# KiCad board fabiTEM.kicad_pcb (continued)
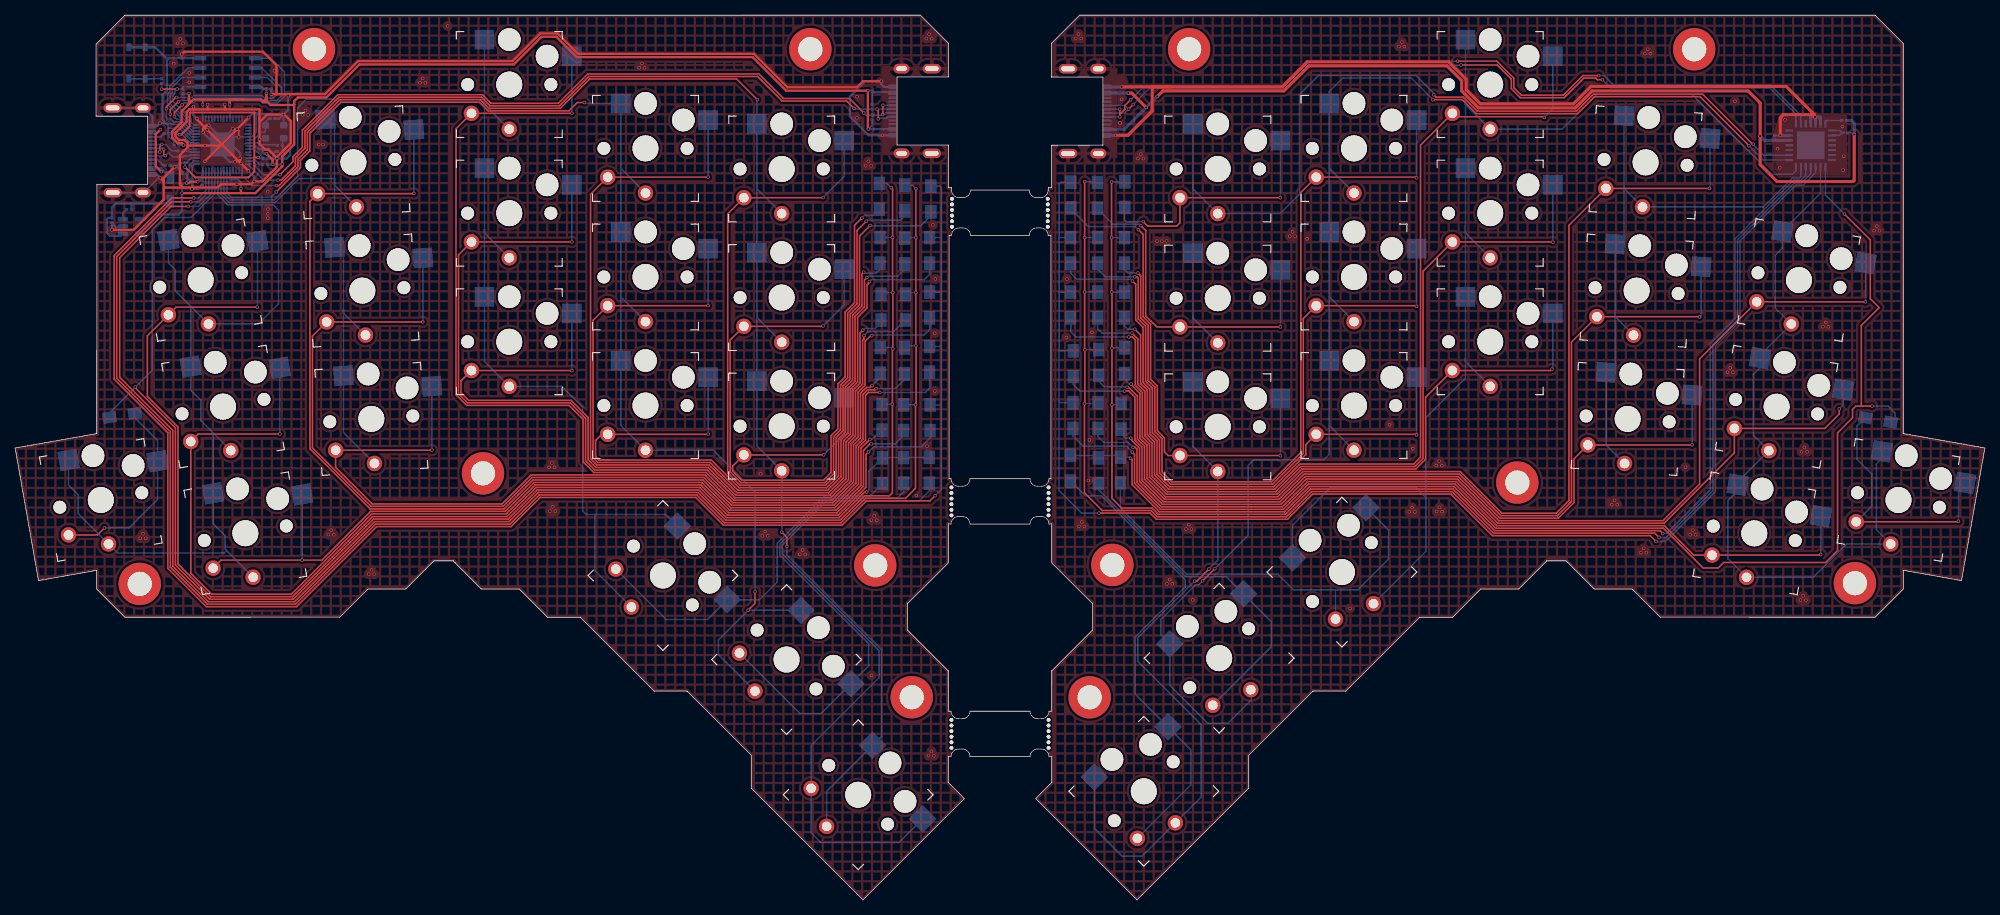
[diagram p0: board, top side]
## Routing (per net, layer and track width the routed paths; a pad name or vN(x,y) marks a point on that pad's centre or on a via; arc(x,y) is an arc through that point) (continued)
Net-(DL10-A): length 95.1
  Top w0.2: v1(106.77,75.88) 106.72,75.83 SWL10.2 94.49,74.02 94.49,56.59 95.93,55.15 106.95,55.15 108.15,56.34 108.15,61.22 109.07,62.15 109.07,68.07 110.01,69.01 110.01,77.57 111.25,78.81 111.25,88.49 v1(112.47,89.71)
  Bottom w0.2: SWL10.2 109.57,78.68 v1(106.77,75.88) ; v1(112.47,89.71) 112.63,89.87 116.99,89.87 117.55,90.43 DL10.2
Net-(DL11-A): length 110.5
  Top w0.2: SWL11.2 27.21,44.91 v1(37.92,44.91) 40.53,44.91 46.98,51.36 64.75,51.36 68.58,55.18 90.75,55.18 94.42,51.52 108.46,51.52 111.78,54.84 111.78,59.72 112.62,60.56 112.63,60.56 v1(112.96,60.89)
  Bottom w0.2: v1(112.96,60.89) 113.23,60.89 114.43,62.08 DL11.2 ; v1(37.92,44.91) SWL11.2
Net-(DL12-A): length 114.3
  Top w0.2: v1(55.07,59.46) 55.06,59.45 SWL12.2 42.35,57.18 47.18,52.35 64.34,52.35 68.17,56.17 91.16,56.17 94.83,52.51 108.05,52.51 110.79,55.25 110.79,60.13 111.71,61.05 111.71,66.96 112.49,67.75 112.99,67.75 v1(113.23,68)
  Bottom w0.2: v1(55.07,59.46) 55.06,59.47 SWL12.2 ; v1(113.23,68) 114.33,69.09 DL12.2
Net-(DL13-A): length 108.8
  Top w0.2: v1(112.02,75.31) 111.66,74.95 111.66,68.33 110.72,67.39 110.72,61.46 109.8,60.54 109.8,55.66 107.64,53.5 95.24,53.5 91.57,57.16 76.74,57.16 75.71,58.2 75.71,63.8 73.47,66.04 59.93,66.04 58.92,67.05 58.92,68.61 SWL13.2 73.55,69.98 v1(73.57,69.96)
  Bottom w0.2: SWL13.2 73.57,69.97 v1(73.57,69.96) ; v1(112.02,75.31) 112.24,75.54 113.64,75.54 114.43,76.33 DL13.2
Net-(DL14-A): length 91.6
  Top w0.2: SWL14.2 91.53,61.55 v1(91.57,61.59) ; 77.15,58.15 76.7,58.61 76.7,60.73 77.51,61.55 ; 77.15,58.15 78.67,58.15 ; 77.15,58.15 78.67,58.15 ; 78.67,58.15 91.99,58.15 95.66,54.49 107.23,54.49 108.81,56.07 108.81,60.95 109.73,61.87 109.73,67.8 110.67,68.74 110.67,77.29 111.91,78.53 111.91,82.75 v1(112.14,82.98)
  Bottom w0.2: SWL14.2 91.57,61.59 v1(91.57,61.59) ; DL14.2 114.3,83.39 113.74,82.83 112.29,82.83 v1(112.14,82.98)
Net-(DL15-A): length 74.1
  Top w0.2: v1(111.89,90.15) 110.92,89.18 110.92,78.94 109.68,77.7 109.68,69.15 108.74,68.21 108.74,62.28 107.82,61.36 107.82,56.48 106.82,55.48 96.07,55.48 94.82,56.73 94.82,57.35 SWL15.2 106.84,58.83 v1(106.84,58.83)
  Bottom w0.2: DL15.2 114.2,91.26 113.46,90.53 112.27,90.53 v1(111.89,90.15) ; v1(106.84,58.83) 109.57,61.56 SWL15.2
Net-(DL16-A): length 26.3
  Top w0.2: SWL16.2 10.89,48.25 v1(11.81,49.18)
  Bottom w0.2: v1(11.81,49.18) 15.04,49.18 18.82,52.95 18.82,60.74 15.83,63.73 DL16.2
Net-(DL17-A): length 48.5
  Bottom w0.2: DL17.2 112.99,53.43 106.97,53.43 100.71,47.16 100.71,42.02 98.36,39.67 94.11,39.67 SWL17.2 91.48,37.06 86.04,37.06 SWL17.2
Net-(DL18-A): length 64.3
  Bottom w0.2: SWL18.2 103.69,24.64 106.51,24.64 112.79,30.92 112.79,33.86 101.04,45.61 101.04,47.03 107.11,53.1 116.57,53.1 117.43,53.95 DL18.2
Net-(DL19-A): length 87
  Bottom w0.2: SWL19.2 116.78,7.57 106.48,7.57 105.18,8.87 105.18,20.4 114.17,29.38 114.17,32.94 101.37,45.74 101.37,46.89 107.24,52.77 119.49,52.77 120.8,54.08 DL19.2
Net-(DR1-A): length 136
  Top w0.2: v1(244.5,79.06) 244.49,79.06 SWR1.2 222.59,71.52 222.59,54.98 217.75,50.13 196.05,50.13 190.55,55.63 170.61,55.63 167.27,52.3 151.61,52.3 148.58,55.33 148.58,59.72 147.56,60.73 147.56,60.9 v1(147.42,61.04)
  Bottom w0.2: DR1.2 146.15,61.62 146.74,61.04 v1(147.42,61.04) ; SWR1.2 244.52,79.08 v1(244.5,79.06)
Net-(DR2-A): length 139.9
  Top w0.2: v1(147.47,68.2) 147.47,68.12 148.63,66.96 148.63,61.07 149.57,60.13 149.57,55.74 152.02,53.29 166.84,53.29 170.18,56.62 190.96,56.62 196.46,51.12 203.64,51.12 205.33,52.81 205.33,89.18 SWR2.2 223.89,94.06 v1(223.9,94.06)
  Bottom w0.2: SWR2.2 223.97,94.14 v1(223.9,94.06) ; DR2.2 146.59,68.83 147.22,68.2 v1(147.47,68.2)
Net-(DR3-A): length 128.8
  Top w0.2: v1(202.09,103.44) 202,103.53 190.37,103.53 SWR3.2 185.72,99.78 185.72,58.52 184.81,57.61 169.77,57.61 166.44,54.29 152.42,54.29 150.56,56.15 150.56,60.54 149.62,61.48 149.62,67.37 148.72,68.27 148.72,74.68 v1(147.96,75.44)
  Bottom w0.2: v1(202.09,103.44) 203.2,104.55 SWR3.2 ; DR3.2 146.59,75.89 147.04,75.44 v1(147.96,75.44)
Net-(DR4-A): length 109.1
  Top w0.2: v1(185.2,95.46) 185.11,95.55 SWR4.2 169.89,93.52 169.89,59.15 166.01,55.28 152.83,55.28 151.55,56.56 151.55,60.95 150.61,61.89 150.61,67.78 149.71,68.68 149.71,75.97 148.74,76.94 148.74,82.51 v1(148.36,82.88)
  Bottom w0.2: SWR4.2 v1(185.2,95.46) ; DR4.2 146.59,83.33 147.04,82.88 v1(148.36,82.88)
Net-(DR5-A): length 33.5
  Top w0.2: v1(167.19,92.83) SWR5.2 153.92,89.51 153.49,89.08 149.67,89.08 v1(149.08,89.67)
  Bottom w0.2: v1(149.08,89.67) 149.07,89.66 146.84,89.66 146.59,89.91 146.59,91.36 ; SWR5.2 v1(167.2,92.83)
Net-(DR6-A): length 120.4
  Top w0.2: v1(147.73,59.83) 148,59.83 148.25,59.58 148.25,55.2 151.48,51.97 167.45,51.97 170.78,55.3 190.41,55.3 195.91,49.8 217.89,49.8 227.18,59.1 SWR6.2 239.13,62.32 241.05,64.24 v1(241.05,64.9)
  Bottom w0.2: DR6.2 143.11,61.22 143.84,60.48 147.08,60.48 v1(147.73,59.83) ; v1(241.05,64.9) 241.57,65.42 SWR6.2
Net-(DR7-A): length 126.2
  Top w0.2: v1(222.6,77.06) 222.55,77.1 SWR7.2 205.66,73.74 205.66,52.68 205.47,52.49 205.47,52.47 203.79,50.79 196.32,50.79 190.82,56.29 170.32,56.29 166.99,52.96 151.89,52.96 149.24,55.61 149.24,59.99 148.3,60.93 148.3,66.6 147.13,67.77 v1(146.95,67.77)
  Bottom w0.2: SWR7.2 222.79,77.25 v1(222.6,77.06) ; DR7.2 143.18,68.58 143.92,67.84 146.87,67.84 v1(146.95,67.77)
Net-(DR8-A): length 115.8
  Top w0.2: v1(203.2,86.96) 203.17,86.98 SWR8.2 186.05,83.11 186.05,58.39 184.94,57.28 169.9,57.28 166.58,53.96 152.29,53.96 150.23,56.02 150.23,60.4 149.29,61.34 149.29,67.24 148.36,68.16 148.36,74.16 v1(147.59,74.93)
  Bottom w0.2: DR8.2 143.04,75.5 143.61,74.93 v1(147.59,74.93) ; SWR8.2 v1(203.2,86.96)
Net-(DR9-A): length 96
  Top w0.2: v1(185.2,78.46) 185.11,78.55 SWR9.2 170.22,76.85 170.22,59.02 166.15,54.95 152.7,54.95 151.22,56.43 151.22,60.81 150.28,61.75 150.28,67.65 149.38,68.55 149.38,75.84 148.41,76.81 148.41,82.18 148.21,82.37 v1(147.96,82.37)
  Bottom w0.2: SWR9.2 v1(185.2,78.46) ; DR9.2 143.04,83.38 144.04,82.37 v1(147.96,82.37)
Net-(DR10-A): length 44.8
  Top w0.2: v1(167.2,75.74) 167.19,75.74 SWR10.2 150.87,75.74 149.4,77.22 149.4,88.49 v1(148.74,89.15)
  Bottom w0.2: 143.04,91.36 145.07,89.33 148.55,89.33 v1(148.74,89.15) ; SWR10.2 v1(167.2,75.74)
Net-(DR11-A): length 116.5
  Top w0.2: v1(238.6,45.66) 238.52,45.58 SWR11.2 221.83,45.58 217.93,49.47 195.78,49.47 190.28,54.97 170.92,54.97 167.58,51.64 151.34,51.64 147.92,55.06 147.92,58.92 v1(147.63,59.21)
  Bottom w0.2: SWR11.2 238.62,45.68 v1(238.6,45.66) ; v1(147.63,59.21) 146.86,59.97 141.15,59.97 139.78,61.34 DR11.2
Net-(DR12-A): length 112.8
  Top w0.2: v1(146.58,67.26) 147.17,67.26 147.97,66.46 147.97,60.79 148.91,59.85 148.91,55.47 151.75,52.63 167.14,52.63 170.47,55.96 190.69,55.96 196.19,50.46 203.93,50.46 205.99,52.52 205.99,58.3 SWR12.2 221.58,60.14 v1(221.6,60.16)
  Bottom w0.2: v1(146.58,67.26) 140.71,67.26 139.83,68.14 DR12.2 ; SWR12.2 221.6,60.16 v1(221.6,60.16)
Net-(DR13-A): length 102.9
  Top w0.2: v1(147.17,74.42) 147.63,74.42 148.03,74.02 148.03,68.03 148.96,67.1 148.96,61.2 149.9,60.26 149.9,55.88 152.15,53.63 166.71,53.63 170.04,56.95 185.08,56.95 186.38,58.25 186.38,66.44 SWR13.2 202.9,69.98 v1(203.08,70.16)
  Bottom w0.2: v1(147.17,74.42) 140.18,74.42 139.49,75.12 DR13.2 ; SWR13.2 203.2,70.28 v1(203.08,70.16)
Net-(DR14-A): length 83.1
  Top w0.2: v1(185.2,61.46) 185.11,61.55 SWR14.2 170.55,60.18 170.55,58.83 170.52,58.83 166.3,54.62 152.56,54.62 150.89,56.29 150.89,60.67 149.95,61.61 149.95,67.51 149.05,68.41 149.05,75.7 148.08,76.67 148.08,81.38 147.65,81.81 v1(147.65,81.81)
  Bottom w0.2: DR14.2 139.49,82.86 140.31,82.04 147.42,82.04 v1(147.65,81.81) ; SWR14.2 v1(185.2,61.46)
Net-(DR15-A): length 64.1
  Top w0.2: v1(167.2,58.72) 167.17,58.74 SWR15.2 152.36,58.74 151.88,59.23 151.88,61.08 150.94,62.02 150.94,67.92 150.04,68.82 150.04,76.11 149.07,77.08 149.07,87.97 v1(148.44,88.6)
  Bottom w0.2: v1(148.44,88.6) 148.03,89 141.85,89 139.5,91.35 DR15.2 ; SWR15.2 v1(167.2,58.72)
Net-(DR16-A): length 33.6
  Top w0.2: SWR16.2 256.73,49.99 v1(256.8,50.06)
  Bottom w0.2: SWR16.2 245.37,52.07 245.37,56.29 243.38,58.27 243.38,62.64 DR16.2 ; 256.8,54.24 v1(256.8,50.06)
Net-(DR17-A): length 56.8
  Bottom w0.2: DR17.2 146.08,51.79 154.82,43.05 166.88,43.05 168.94,40.99 174.48,40.99 ; SWR17.2 181.49,48.87 181.49,45.06 177.43,40.99 174.48,40.99 ; 174.48,40.99 SWR17.2
Net-(DR18-A): length 47.6
  Bottom w0.2: 160.54,42.22 166,36.76 166,33.48 SWR18.2 ; SWR18.2 160.04,42.72 154.68,42.72 143.13,54.27 DR18.2
Net-(DR19-A): length 63.4
  Bottom w0.2: SWR19.2 155.32,15.17 155.37,15.17 155.37,19.83 SWR19.2 148.03,27.18 148.03,34.78 154.61,41.36 154.61,42.32 143.52,53.41 141.44,53.41 DR19.2
Net-(J2-CC1): length 2
  Bottom w0.2: R9.1 19.63,97.07 18.83,97.87 18.15,97.87
Net-(J2-CC2): length 1.7
  Bottom w0.2: R10.1 19.26,100.87 18.15,100.87
Net-(U1-EN): length 1.5
  Bottom w0.2: R6.2 14.24,90.78 U1.3
Net-(U1-VIN): length 15.3
  Bottom w0.3: D1.1 20.22,92.06 15.38,92.06 ; 15.38,92.06 R6.1 15.44,91.33 ; 15.38,92.06 13.32,92.06 12.79,91.53 C6.1 12.3,90.15 12.12,89.97 12.12,88.2 12.53,87.79 13.94,87.79 U1.1
Net-(U2-RUN): length 2.2
  Bottom w0.2: R3.2 32.31,97.22 31.47,98.06 U2.26
Net-(U2-USB_D+): length 1.9
  Bottom w0.2: U2.47 23.25,98.86
  Bottom w0.25: 23.25,98.86 22.59,98.99 ; 22.59,98.99 22.58,98.99 R4.2 ; 22.59,98.99 22.46,99.01
Net-(U2-USB_D-): length 1.8
  Bottom w0.2: 23.96,98.45 23.25,98.45
  Bottom w0.25: 23.25,98.45 22.47,98.31 22.24,98.31 R5.1
Net-(U5-INTA): length 2.9
  Bottom w0.2: 240.11,101.07 241.06,101.07 241.41,101.41 241.1,101.72 240.11,101.72
Net-(U5-~{RESET}): length 2.5
  Bottom w0.2: 241.37,103.04 239.45,103.04 239.23,102.82 239.23,102.6

## Copper pours and planes (outline as drawn; the poured copper is in the pictures)
GND on Top: 24.51,102.75 30.2,102.75 30.2,97.07 24.51,97.07
GND on Top: 114.5,110.31 123.34,110.31 123.33,98.44 114.47,98.44
GND on Top: 19.01,102.05 19.64,102.7 19.61,103.93 19,103.9 18.85,102.95 17.84,102.2 18.28,101.37 18.82,101.61
GND on Top: 32.28,102.81 32.26,103.98 35.71,103.95 36.37,103.89 36.41,100.14 34.53,97.97 34.09,96.59 32.29,100.09 32.29,102.04
GND on Top: 29.22,102.74 30.89,103.83 31.15,103.63 31.32,103.45 30.19,101.9
GND on Top: 28.6,97.21 30.27,95.93 31.06,95.93 31.24,96.18 31.25,97.7 29.98,98.54
GND on Top: 114.77,108.81 113.42,108.37 113.84,107.33 114.87,107.28 115.15,108.06 115.02,108.53
GND on Top: 25.85,102.75 24.49,103.74 23.53,103.72 23.53,102.1 25.04,102.03
GND on Top: 11.97,105.54 18.44,105.6 19.01,100.61 20.87,99.67 24.51,99.05 24.54,97.94 19.02,97.46 18.65,92.83 12.14,92.82 12.06,100.94
GND on Top, Bottom: 129.41,-26.05 -7.83,-26.05 -7.83,149.93 129.41,149.93
GNDR on Top: 136.81,109.95 145.65,109.95 145.64,98.08 136.78,98.08
GNDR on Top: 145.16,107.11 146.51,107.13 147.11,108.14 146.66,109.37 145.24,108.9
GNDR on Top: 233.08,103.64 242.09,103.78 242.12,95.75 232.94,95.8 232.07,100.64
GNDR on Top, Bottom: 268.16,-26.04 130.84,-26.05 130.86,149.95 268.17,149.95

Small or netless copper shapes (teardrops, artwork), in the pictures only: 1 on Top, 2 on Bottom

## Text on the board
B.Mask: 0.1
B.Silkscreen: I2C | f a b i l a b | M A D E   B Y | R E V I S I O N   0 . 8 | fabi T E M
User.Drawings: fabiTEM
